# Altium PCB 2-quilter-output.PcbDoc (part 12 of 26)
Units mil, origin at the board's own origin, x right, y up, seen from the top; angles counter-clockwise.
Board outline 4130.55 x 4250 mil, 8 copper layers (L1, Ground L2, L3, Power L4, Ground L5, L6, Ground L7, L8), stack 62.985 mil thick; 591 components, 494 nets, 2245 pads, 1508 vias.
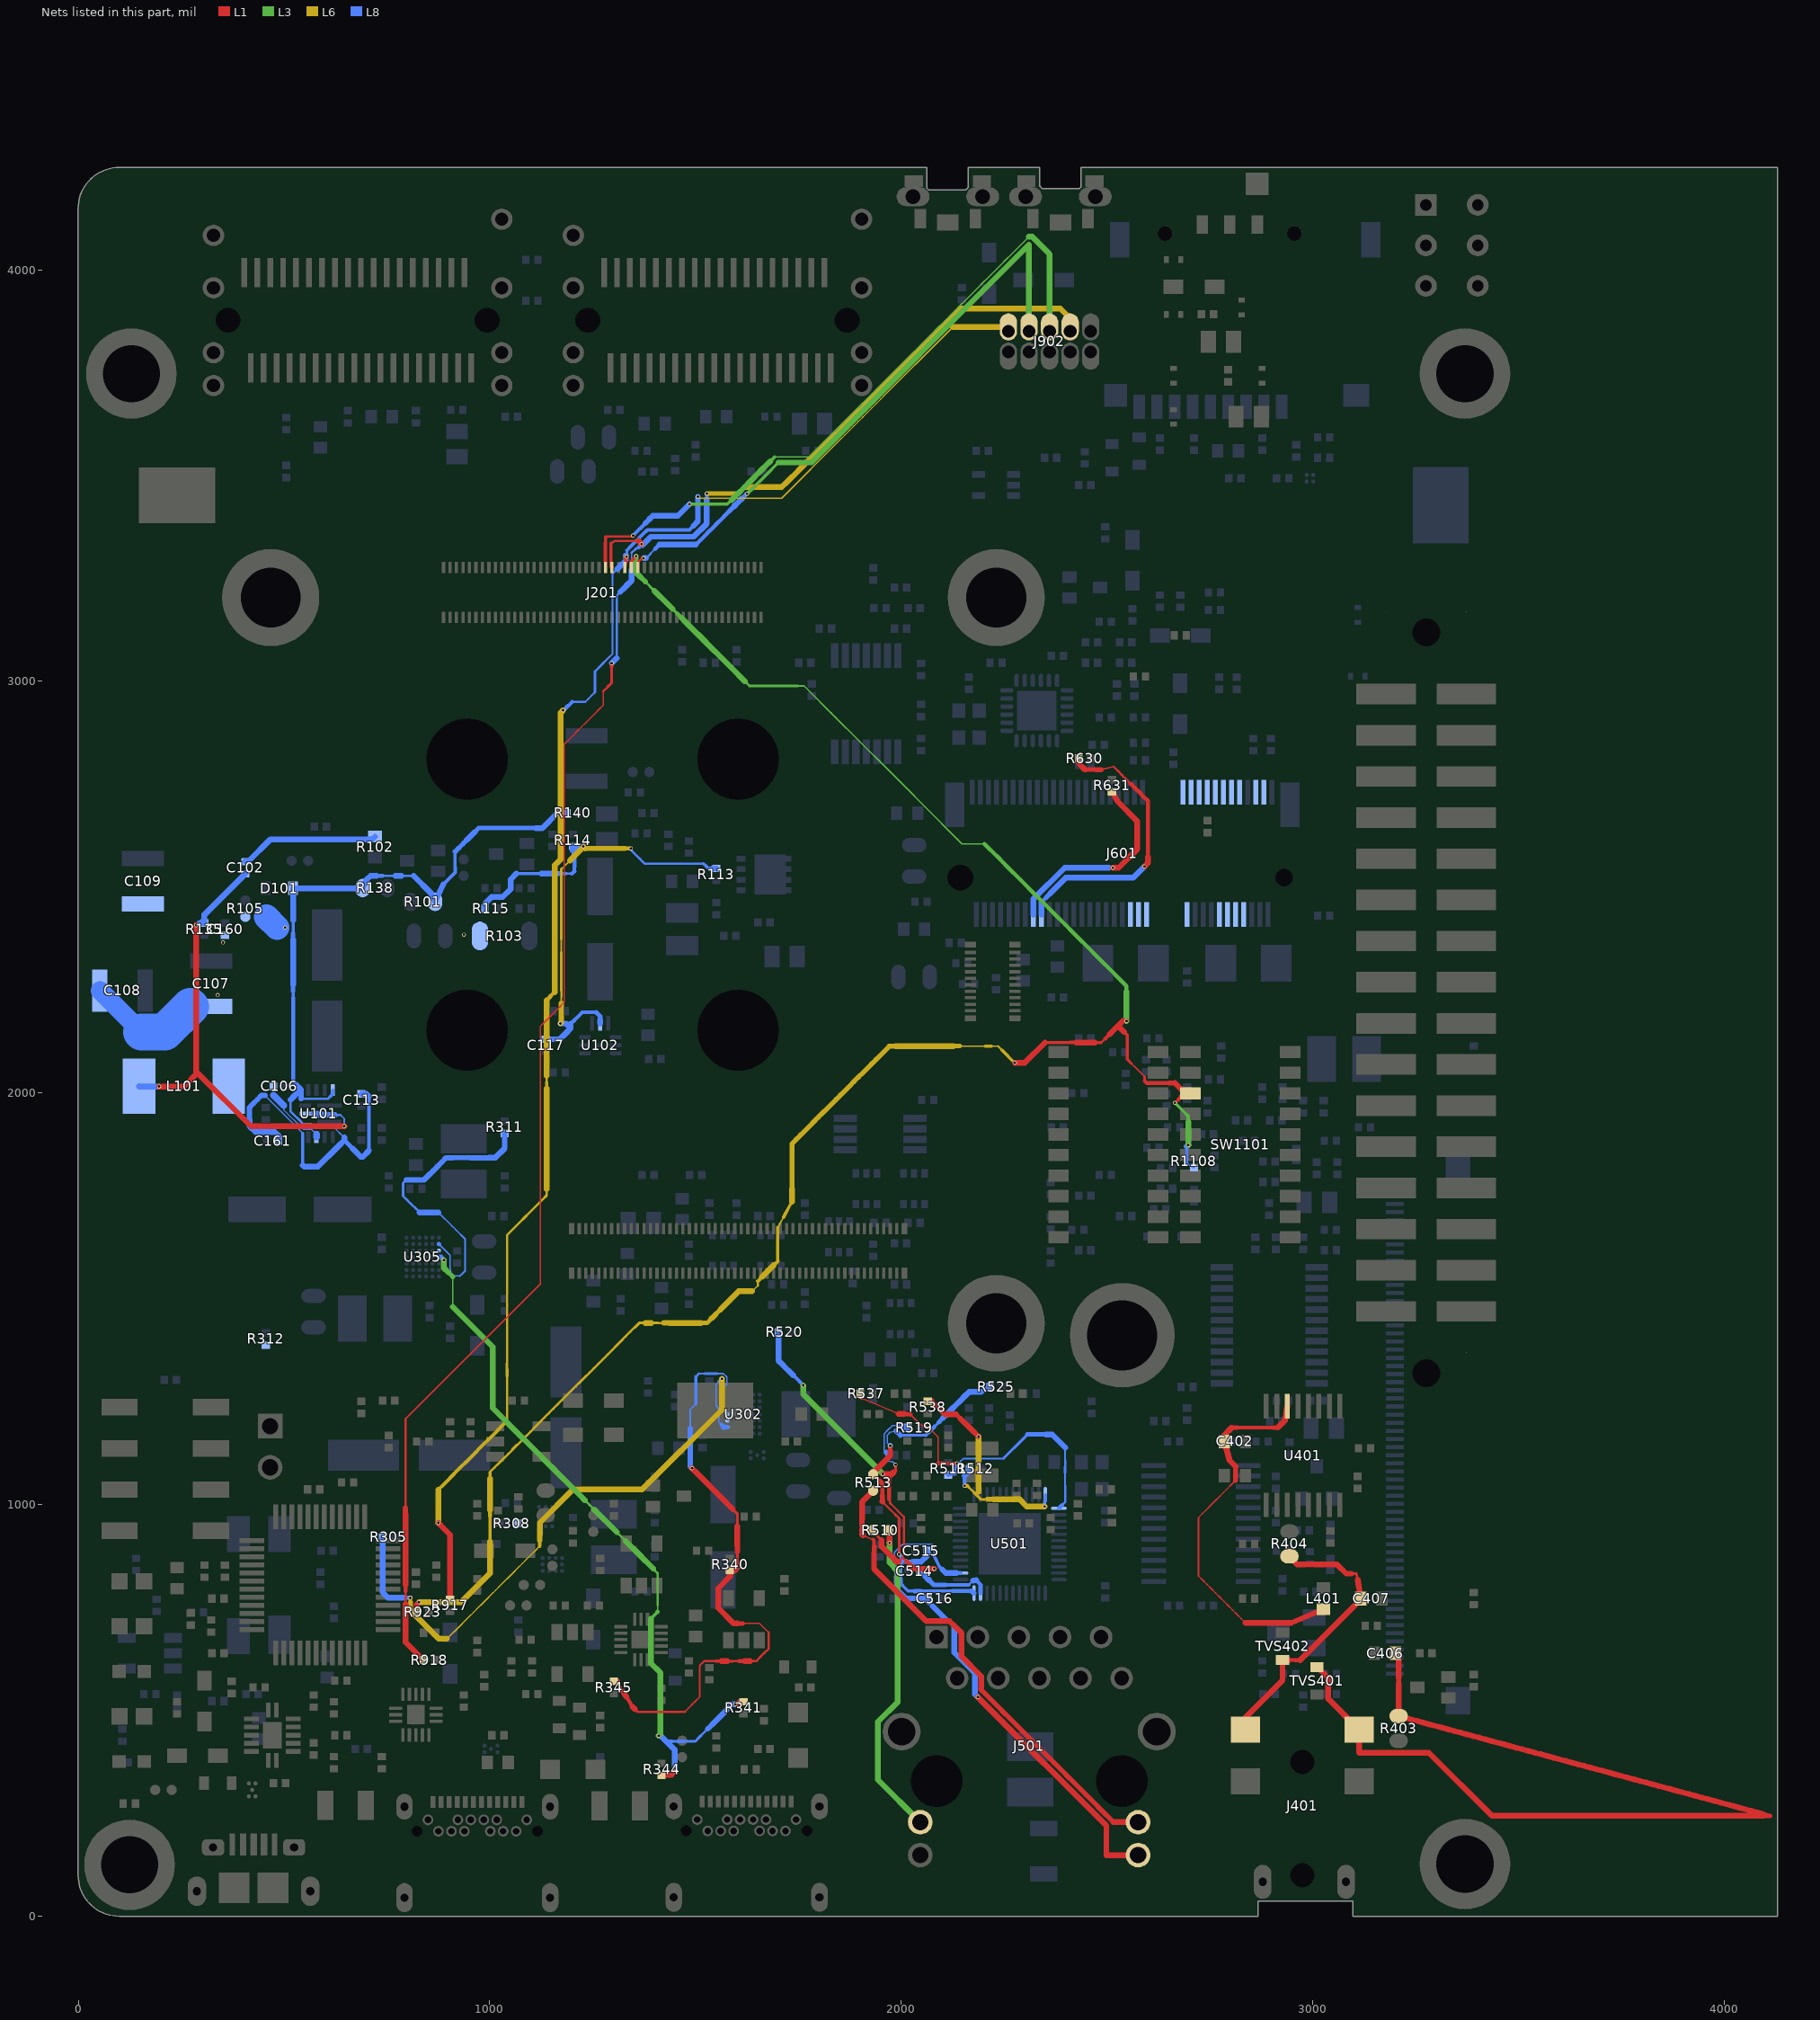
[diagram p18: the nets of this part, all layers, seen from the top]

## Via types
v1: diameter 9.85, hole 5.91, L1 to L8, tented both sides, 1508 vias

## Nets (pads, with @x,y where several pads share a name; then routed paths per layer and width w, separated by ;. In a path a pad name is that pad's centre, name@x,y a point inside that pad or via, vN(x,y) a via of type N, cw(c..) or ccw(c..) an arc to the next point about the centre after c; other vN are vias at no path point) (continued)
JTAG_NTRST: J201.60 R923.2 R1108.1 SW1101.3 | length 4934.3
  L1 w3.83: 2560.27,2071.05 2570.77,2060.55 2581.27,2050.05 2591.73,2039.59
  L1 w5.87: 2486.72,2122.16 2496.85,2132.29 ; v1(2665.92,1975.46) 2673.75,1983.29
  L1 w6.9: 2549.77,2125.5 2549.77,2110.85 2549.77,2096.2 2549.77,2081.55 2560.27,2071.05 ; 2591.73,2029.12 2591.73,2039.59
  L1 w7.92: 822.58,756.63 v1(827.93,761.98) ; 1344.51,3292.01 1350.33,3297.83 v1@1356.15,3303.65 ; 2349.83,2122.16 2365.04,2122.16 2380.25,2122.16 2395.46,2122.16 2410.67,2122.16 ; 2471.51,2122.16 2486.72,2122.16 ; 2542.26,2147.66 2549.77,2140.15 2549.77,2125.5
  L1 w8.94: J201.60@1344.5,3276.42 1344.51,3292.01 ; 2410.67,2122.16 2425.88,2122.16 ; 2591.74,2029.11 2597.16,2023.69 2610.85,2023.69 ; 2673.75,1983.29 SW1101.3@2681.58,1991.12
  L1 w9.96: v1@1356.15,3303.65 v1(1356.15,3303.88) ; 2496.85,2132.29 2506.98,2142.42 ; 2610.85,2023.69 2624.55,2023.69 2638.24,2023.69 2651.93,2023.69
  L1 w10.99: 2539.07,2174.51 v1(2548.07,2174.51) ; 2651.93,2023.69 2665.63,2023.69
  L1 w14.05: R923.2@822.59,737.56 822.58,756.63 ; v1(2276.32,2072.76) 2300.43,2072.76 2349.83,2122.16 ; 2425.88,2122.16 2441.09,2122.16 2456.3,2122.16 2471.51,2122.16 ; 2506.98,2142.42 2517.11,2152.55 2527.24,2162.68 ; 2539.07,2174.51 2527.24,2162.68 ; 2542.26,2147.66 2534.75,2155.17 2527.24,2162.68 ; 2665.63,2023.69 2687.26,2002.05 SW1101.3@2703.63,1998.79 2692.56,1991.12 SW1101.3@2681.58,1991.12
  L3 w3.83: 1749.73,2988.79 1764.51,2988.79 1775.47,2977.82 1786.44,2966.86 1797.4,2955.9 1808.36,2944.94 1819.32,2933.97 1830.29,2923.01 1841.25,2912.05 1852.21,2901.08 1863.18,2890.12 1874.14,2879.16 1885.1,2868.2 1896.07,2857.23 1907.03,2846.27 1917.99,2835.31 1928.95,2824.34 1939.92,2813.38 1950.88,2802.42 1961.84,2791.45 1972.81,2780.49 1983.77,2769.53 1994.73,2758.57 2005.7,2747.6 2016.66,2736.64 2027.62,2725.68 2038.58,2714.71 2049.55,2703.75 2060.51,2692.79 2071.47,2681.82 2082.44,2670.86 2093.4,2659.9 2104.36,2648.94 2115.33,2637.97 2126.29,2627.01 2137.25,2616.05 2148.21,2605.08 2161.79,2605.08 2175.37,2605.08 2188.96,2605.08 2202.54,2605.08
  L3 w5.87: 1378.18,3242.12 1389.19,3231.1 ; 1620.49,2999.8 1631.51,2988.79 1646.28,2988.79 1661.06,2988.79 1675.84,2988.79 1690.62,2988.79 1705.4,2988.79 1720.18,2988.79 1734.95,2988.79 1749.73,2988.79
  L3 w6.9: 1389.19,3231.1 1400.21,3220.09
  L3 w7.92: 1444.26,3176.03 1455.28,3165.02 ; v1(2665.92,1975.46) 2676.61,1964.77 2687.3,1954.08 2697.99,1943.39 2697.99,1929.26
  L3 w9.96: 1455.28,3165.02 1466.29,3154 ; 2202.54,2605.08 2213.68,2593.94 2224.83,2582.79 2235.97,2571.65 2247.12,2560.5 2258.26,2549.35 2269.41,2538.21 2280.56,2527.06 2291.7,2515.92 2302.85,2504.77 2313.99,2493.63 2325.14,2482.48 2336.29,2471.33 2347.43,2460.19 2358.58,2449.04 2369.72,2437.9 2380.87,2426.75 2392.01,2415.6 2403.16,2404.46 2414.31,2393.31 2425.45,2382.17 2436.6,2371.02 2447.74,2359.88 2458.89,2348.73 2470.03,2337.58 2481.18,2326.44 2492.33,2315.29 2503.47,2304.15 2514.62,2293 2525.76,2281.85 2536.91,2270.71 2548.06,2259.56 2548.07,2245.39
  L3 w12.01: 1356.15,3290.63 v1(1356.15,3303.88)
  L3 w13.03: 1367.16,3253.13 1378.18,3242.12
  L3 w14.05: 1356.15,3290.63 1356.15,3277.39 1356.15,3264.14 1367.16,3253.13 ; 1400.21,3220.09 1411.22,3209.07 1422.23,3198.06 1433.25,3187.04 1444.26,3176.03 ; 1466.29,3154 1477.31,3142.99 1488.32,3131.97 1499.34,3120.96 1510.35,3109.95 1521.36,3098.93 1532.38,3087.92 1543.39,3076.9 1554.41,3065.89 1565.42,3054.87 1576.43,3043.86 1587.45,3032.85 1598.46,3021.83 1609.48,3010.82 1620.49,2999.8 ; v1(2548.07,2174.51) 2548.07,2188.69 2548.07,2202.87 2548.07,2217.04 2548.07,2231.21 2548.07,2245.39 ; v1(2697.99,1872.74) 2697.99,1886.87 2697.99,1901 2697.99,1915.13 2697.99,1929.26
  L6 w3.5: 1637.89,1517.49 1644.96,1524.56 1652.03,1531.64
  L6 w3.83: 1700.27,1672.42 1707.12,1684.96 1713.98,1697.5 ; 2142.54,2113.51 2158.05,2113.51 2173.55,2113.51 2189.06,2113.51 2204.56,2113.51 ; 2220.07,2113.51 2235.57,2113.51
  L6 w4.85: 2235.57,2113.51 2245.76,2103.32
  L6 w5.87: 1000.75,1078.17 1011.73,1089.16 1022.72,1100.14 1033.7,1111.12 1044.69,1122.11 1055.67,1133.09 ; 1066.66,1144.08 1077.64,1155.06 1088.63,1166.05 1099.61,1177.03 1110.6,1188.02 1121.58,1199 1132.57,1209.99 1143.55,1220.97 1154.54,1231.96 1165.52,1242.94 1176.51,1253.93 1187.49,1264.91 1198.48,1275.9 1209.46,1286.88 1220.45,1297.87 1231.43,1308.85 1242.42,1319.84 1253.4,1330.82 1264.38,1341.81 1275.37,1352.79 1286.35,1363.78 1297.34,1374.76 1308.32,1385.75 1319.31,1396.73 1330.29,1407.72 1341.28,1418.7 1352.26,1429.68 ; 1408.29,1440.68 1423.3,1440.68 ; 1652.03,1531.64 1652.03,1542.78
  L6 w6.9: 1000.75,909.15 1000.75,924.52 1000.75,939.88 1000.75,955.25 1000.75,970.61 ; 1000.75,1062.81 1000.75,1078.17 ; 1055.67,1133.09 1066.66,1144.08 ; 1352.27,1429.69 1363.25,1440.68 1378.26,1440.68 ; 1393.28,1440.68 1408.29,1440.68 ; 1727.69,1722.58 1734.54,1735.12
  L6 w7.92: 1700.21,1590.96 1700.27,1591.02 1700.27,1604.58 1700.27,1618.15 1700.27,1631.72 1700.27,1645.29 1700.27,1658.85 1700.27,1672.42 ; 1713.98,1697.5 1720.83,1710.04 1727.69,1722.58 ; 2204.56,2113.51 2220.07,2113.51 ; 2245.76,2103.32 2255.94,2093.14 2266.13,2082.95 v1(2276.32,2072.76)
  L6 w8.94: 1652.03,1542.78 1661.67,1552.41 ; 1690.57,1581.32 1700.21,1590.95
  L6 w9.96: 1000.75,970.61 1000.75,985.98
  L6 w10.99: 1513.37,1440.68 1528.38,1440.68 1539.35,1451.65 ; 1550.33,1462.63 1561.3,1473.6 ; 2127.04,2113.51 2142.54,2113.51
  L6 w12.01: 1734.54,1766.44 1734.54,1782.1 1734.54,1797.76 1734.54,1813.42 1734.54,1829.08 1734.54,1844.73 1734.54,1860.39 1734.54,1876.05 1745.33,1886.85 1756.13,1897.64 1766.92,1908.43 1777.71,1919.23 1788.5,1930.02 1799.3,1940.81 1810.09,1951.6 1820.88,1962.4 1831.68,1973.19 1842.47,1983.98 1853.26,1994.78 1864.06,2005.57 1874.85,2016.36 1885.64,2027.16 1896.44,2037.95 1907.23,2048.74 1918.02,2059.54 1928.82,2070.33 1939.61,2081.12 1950.4,2091.91 1961.19,2102.71 1971.31,2112.83 1971.99,2113.51 1987.5,2113.51
  L6 w13.03: 1423.3,1440.68 1438.31,1440.68 ; 1539.35,1451.65 1550.33,1462.63
  L6 w14.05: v1(827.93,761.98) 930.4,761.98 1000.75,832.32 ; 1000.75,832.33 1000.75,847.69 1000.75,863.06 1000.75,878.42 1000.75,893.79 1000.75,909.15 ; 1000.75,985.98 1000.75,1001.34 1000.75,1016.71 1000.75,1032.08 1000.75,1047.44 1000.75,1062.81 ; 1378.26,1440.68 1393.28,1440.68 ; 1438.31,1440.68 1453.32,1440.68 1468.33,1440.68 1483.35,1440.68 1498.36,1440.68 1513.37,1440.68 ; 1561.3,1473.6 1572.27,1484.57 1583.25,1495.54 1594.22,1506.52 1605.19,1517.49 1637.89,1517.49 ; 1661.67,1552.41 1671.3,1562.05 1680.94,1571.68 1690.57,1581.32 ; 1734.54,1735.12 1734.54,1750.78 1734.54,1766.44 ; 1987.5,2113.51 2003,2113.51 2018.51,2113.51 2034.01,2113.51 2049.51,2113.51 2065.02,2113.51 2080.52,2113.51 2096.03,2113.51 2111.53,2113.51 2127.04,2113.51
  L8 w3.83: 2697.68,1826.41 R1108.1@2703.18,1823.34
  L8 w5.87: 2694.49,1829.6 2694.49,1841.88 2694.49,1855.56 2694.49,1869.24 ; R1108.1@2703.18,1823.34 R1108.1@2711.86,1818.5
  L8 w6.9: 2694.49,1829.6 2697.68,1826.41
  L8 w14.05: 2694.49,1869.24 v1(2697.99,1872.74)
JTAG_TCK: J201.62 J902.4 | length 1482.9
  L1 w5.87: J201.62@1360.24,3289.07 v1@1370.37,3299.2
  L1 w7.92: J201.62@1360.24,3276.42 J201.62@1360.24,3289.07 ; v1@1370.37,3299.2 v1(1374.04,3299.2)
  L3 w7.92: 1638.16,3467.77 1648.81,3478.42 1659.46,3489.07 1670.1,3499.72 1680.75,3510.36 1691.4,3521.01 1702.05,3531.66
  L3 w8.94: v1(1625.84,3455.45) 1632,3461.61 1638.16,3467.77
  L3 w14.05: 1702.05,3531.66 1781.63,3531.66 2310.96,4060.99 J902.4@2310.96,3861.16
  L8 w3.83: 1391.16,3310.16 1402.12,3321.12
  L8 w5.87: 1380.2,3299.2 1391.16,3310.16
  L8 w9.96: 1402.12,3321.12 1413.08,3332.08 ; 1501.19,3332.08 1511.47,3342.36 1521.75,3352.64 1532.03,3362.92 1542.31,3373.2 1552.59,3383.49 1562.88,3393.77 1573.16,3404.05 1583.44,3414.33 ; 1614.28,3445.17 1624.56,3455.45 v1(1625.84,3455.45)
  L8 w12.01: 1583.44,3414.33 1593.72,3424.61
  L8 w14.05: v1(1374.04,3299.2) 1380.2,3299.2 ; 1413.08,3332.08 1501.19,3332.08 ; 1593.72,3424.61 1604,3434.89 1614.28,3445.17
JTAG_TDI: J201.54 J902.8 R918.2 | length 4463.1
  L1 w3.5: 795.46,1207.86 806.38,1218.78 817.29,1229.7 828.21,1240.61 839.13,1251.53 850.05,1262.45 860.97,1273.37 871.88,1284.29 882.8,1295.2 893.72,1306.12 904.64,1317.04 915.55,1327.96 926.47,1338.88 937.39,1349.79 948.31,1360.71 959.23,1371.63 970.14,1382.55 981.06,1393.46 991.98,1404.38 1002.9,1415.3 1013.82,1426.22 1024.73,1437.14 1035.65,1448.05 1046.57,1458.97 1057.49,1469.89 1068.41,1480.81 1079.32,1491.73 1090.24,1502.64 1101.16,1513.56 1112.08,1524.48 1123,1535.4 1123,1551.03 1123,1566.67 1123,1582.3 1123,1597.93 1123,1613.57 1123,1629.2 1123,1644.83 1123,1660.47 1123,1676.1 1123,1691.74 1123,1707.37 1123,1723 1123,1738.64 1123,1754.27 1123,1769.91 1123,1785.54 1123,1801.17 1123,1816.81 1123,1832.44 1123,1848.07 1123,1863.71 1123,1879.34 1123,1894.98 1123,1910.61 1123,1926.24 1123,1941.88 1123,1957.51 1123,1973.15 1123,1988.78 1123,2004.41 1123,2020.05 1123,2035.68 1123,2051.31 1123,2066.95 1123,2082.58 1123,2098.22 1123,2113.85 1123,2129.48 1123,2145.12 1123,2160.75 1123.51,2161.26 ; 1181.41,2219.78 1181.41,2235.47 1181.41,2251.15 1181.41,2266.84 1181.41,2282.53 1181.41,2298.21 1181.41,2313.9 1181.41,2329.59 1181.41,2345.27 1181.41,2360.96 1181.41,2376.65 1181.41,2392.33 1181.41,2408.02 1181.41,2423.71 1181.41,2439.39 1181.41,2455.08 1181.41,2470.76 1181.41,2486.45 1181.41,2502.14 1181.41,2517.82 1181.41,2533.51 1181.41,2549.2 1181.41,2564.88 1181.41,2580.57 1181.41,2596.26 1181.41,2611.94 1181.41,2627.63 1181.41,2643.32 1181.41,2659 1181.41,2674.69 1181.41,2690.38 1181.41,2706.06 1181.41,2721.75 1181.41,2737.44 1181.41,2753.12 1181.41,2768.81 1181.41,2784.5 1181.41,2800.18 1181.41,2815.87 1181.41,2831.56 1181.41,2847.24 1191.92,2857.75 1202.43,2868.26 1212.94,2878.77 1223.44,2889.27 1233.95,2899.78 1244.46,2910.29 1254.97,2920.8 1265.48,2931.31 1275.98,2941.81 1275.98,2953.02 1275.98,2964.23 1275.98,2975.43
  L1 w3.83: 1123.51,2161.27 1123.51,2161.88 1133.16,2171.53 1142.81,2181.18 1152.46,2190.83 1162.11,2200.48 1171.76,2210.13 1181.41,2219.78
  L1 w4.85: 795.46,758.15 795.46,773.66 795.46,789.16 ; 795.46,990.76 795.46,1006.27 795.46,1021.77 795.46,1037.28 795.46,1052.79 795.46,1068.29 795.46,1083.8 795.46,1099.31 795.46,1114.82 795.46,1130.32 795.46,1145.83 795.46,1161.34 795.46,1176.85 795.46,1192.35 795.46,1207.86
  L1 w5.87: 1275.98,2975.43 1286.21,2985.66 ; 1294.71,3335.88 1304.61,3340.83 1318.9,3340.83 1333.19,3340.83 1347.48,3340.83 1361.77,3340.83 ; 1296.44,3024.27 1296.44,3034.03
  L1 w6.9: 1286.21,2985.66 1296.44,2995.89 1296.44,3010.08 1296.44,3024.27 ; J201.54@1294.71,3278.98 1294.71,3293.21 1294.71,3307.43 1294.71,3321.66 1294.71,3335.88
  L1 w7.92: J201.54@1294.71,3278.98 J201.54@1297.26,3276.42 ; 1296.44,3034.03 v1(1296.44,3043.79)
  L1 w8.94: 795.46,789.16 795.46,804.67
  L1 w13.03: 795.46,975.25 795.46,990.76
  L1 w14.05: 795.46,758.15 795.46,742.64 795.46,727.14 795.46,711.63 795.46,696.12 795.46,680.61 795.46,665.11 R918.2@839.18,621.35 ; 795.46,804.67 795.46,820.18 795.46,835.69 795.46,851.19 795.46,866.7 795.46,882.21 795.46,897.72 795.46,913.22 795.46,928.73 795.46,944.24 795.46,959.74 795.46,975.25 ; 1361.77,3340.83 v1(1369.26,3333.34)
  L6 w9.96: v1(1527.85,3456.27) 1536.59,3456.27 1545.32,3456.27 1560.59,3456.27 1575.85,3456.27 1591.12,3456.27 1606.39,3456.27 1614.17,3464.05 1621.95,3471.83
  L6 w13.03: 1910.27,3672.1 1921.4,3683.22 1932.52,3694.35 1943.65,3705.48 ; 2099.41,3861.24 2110.54,3872.36 2121.66,3883.49
  L6 w14.05: 1621.95,3471.83 1710.01,3471.83 1721.13,3482.96 1732.26,3494.08 1743.38,3505.21 1754.51,3516.34 1765.64,3527.46 1776.76,3538.59 1787.89,3549.71 1799.01,3560.84 1810.14,3571.97 1821.26,3583.09 1832.39,3594.22 1843.52,3605.34 1854.64,3616.47 1865.77,3627.6 1876.89,3638.72 1888.02,3649.85 1899.15,3660.97 1910.27,3672.1 ; 1943.65,3705.48 1954.78,3716.6 1965.9,3727.73 1977.03,3738.85 1988.15,3749.98 1999.28,3761.11 2010.4,3772.23 2021.53,3783.36 2032.66,3794.48 2043.78,3805.61 2054.91,3816.74 2066.03,3827.86 2077.16,3838.99 2088.29,3850.11 2099.41,3861.24 ; 2121.66,3883.49 2132.79,3894.62 2143.92,3905.74 2386.83,3905.74 2410.96,3881.61 J902.8@2410.96,3861.16
  L8 w3.83: 1344.89,3284.94 1344.89,3298.42 1344.89,3311.91
  L8 w4.85: 1308.97,3056.32 1308.97,3071.54 1308.97,3086.77 1308.97,3101.99 1308.97,3117.21 1308.97,3132.44 1308.97,3147.66 1308.97,3162.88 1308.97,3178.11 1308.97,3193.33 1308.97,3208.55 1317.95,3217.53
  L8 w5.87: 1344.89,3311.91 1355.21,3322.23
  L8 w6.9: 1355.21,3322.23 1362.64,3326.34
  L8 w7.92: 1527.85,3441.65 v1(1527.85,3456.27)
  L8 w9.96: 1344.89,3271.46 1344.89,3284.94
  L8 w10.99: 1362.64,3326.34 v1@1372.23,3331.65 ; v1(1369.26,3333.34) v1@1370.95,3331.65
  L8 w14.05: v1(1296.44,3043.79) 1308.97,3056.32 ; 1317.95,3217.53 1326.93,3226.51 1335.91,3235.49 1344.88,3244.47 ; 1344.89,3244.5 1344.89,3257.98 1344.89,3271.46 ; v1@1370.95,3331.65 1372.23,3331.65 1391.99,3351.42 1496.07,3351.42 1527.85,3383.19 1527.85,3397.81 1527.85,3412.42 1527.85,3427.04 1527.85,3441.65
JTAG_TDO: J201.52 J902.6 | length 1650.7
  L1 w5.87: 1281.51,3351.11 1282.93,3351.99 1295.59,3351.99 1308.26,3351.99 1320.92,3351.99 1333.58,3351.99 1346.25,3351.99 v1(1348.66,3354.4)
  L1 w7.92: J201.52@1281.5,3276.42 1281.5,3291.35 ; 1281.5,3336.16 1281.5,3351.09
  L1 w8.94: 1281.5,3291.35 1281.5,3306.29 1281.5,3321.22 1281.5,3336.16
  L3 w3.5: 1692.75,3545.38 1706.62,3545.38 1720.48,3545.38 1734.35,3545.38 1748.21,3545.38 1762.08,3545.38 1775.95,3545.38 1787.09,3556.52 1798.24,3567.67 1809.38,3578.81 1820.53,3589.96 1831.67,3601.1 1842.82,3612.25 1853.96,3623.39 1865.11,3634.54 1876.25,3645.68 1887.4,3656.82 1898.54,3667.97 1909.68,3679.11 1920.83,3690.26 1931.97,3701.4 1943.12,3712.55 1954.26,3723.69 1965.41,3734.84 1976.55,3745.98 1987.7,3757.13 1998.84,3768.27 2009.99,3779.42 2021.13,3790.56 2032.28,3801.71 2043.42,3812.85 2054.57,3824 2065.71,3835.14 2076.86,3846.29 2088,3857.43 2099.15,3868.58 2110.29,3879.72 2121.44,3890.87 2132.58,3902.01 2143.73,3913.16 2154.87,3924.3 2166.02,3935.45 2177.16,3946.59 2188.31,3957.73 2199.45,3968.88 2210.59,3980.02 2221.74,3991.17 2232.88,4002.31 2244.03,4013.46 2255.17,4024.6 2266.32,4035.75 2277.46,4046.89 2288.61,4058.04 2299.75,4069.18 2310.9,4080.33
  L3 w7.92: v1(1485.98,3430.45) 1494.85,3430.45 1503.71,3430.45 1518.54,3430.45 1533.36,3430.45 1548.18,3430.45 1563,3430.45 1577.83,3430.45 1588.27,3440.9 ; 1682.3,3534.93 1692.75,3545.38
  L3 w13.03: 1609.17,3461.8 1619.62,3472.24 1630.06,3482.69
  L3 w14.05: 1588.27,3440.9 1598.72,3451.35 1609.17,3461.8 ; 1630.06,3482.69 1640.51,3493.14 1650.96,3503.59 1661.41,3514.03 1671.86,3524.48 1682.3,3534.93 ; 2310.9,4080.33 2318.97,4080.33 2360.96,4038.33 J902.6@2360.96,3861.16
  L8 w8.94: v1(1348.66,3354.4) 1358.85,3364.59 1369.05,3374.79 1378.16,3383.9
  L8 w13.03: 1378.16,3383.9 1387.27,3393.01
  L8 w14.05: 1387.27,3393.01 1396.38,3402.12 1457.65,3402.12 v1(1485.98,3430.45)
JTAG_TMS: J201.58 J902.2 R917.2 | length 3995.1
  L1 w7.92: J201.58@1328.75,3276.42 1330.76,3290.43 v1@1330.76,3300.4
  L1 w10.99: v1@1330.76,3300.4 v1(1332.99,3302.63)
  L1 w14.05: v1(875.18,954.65) 889.44,940.39 903.7,926.13 R917.2@903.71,768.92
  L6 w3.5: v1(1506.1,3448.6) 1509.75,3444.94 1525.14,3444.94 1540.52,3444.94 1555.9,3444.94 1571.29,3444.94 1586.67,3444.94 1602.06,3444.94 1617.44,3444.94 1632.82,3444.94 1648.21,3444.94 1663.59,3444.94 1678.98,3444.94 1694.36,3444.94 1709.74,3444.94 1720.7,3455.9 1731.65,3466.85 1742.6,3477.8 1753.56,3488.76 1764.51,3499.71 1775.46,3510.66 1786.42,3521.62 1797.37,3532.57 1808.32,3543.52 1819.27,3554.48 1830.23,3565.43 1841.18,3576.38 1852.13,3587.33 1863.09,3598.29 1874.04,3609.24 1884.99,3620.19 1895.95,3631.15 1906.9,3642.1 1917.85,3653.05 1928.81,3664.01 1939.76,3674.96 1950.71,3685.91 1961.66,3696.87 1972.62,3707.82 1983.57,3718.77 1994.52,3729.72 2005.48,3740.68 2016.43,3751.63 2027.38,3762.58 2038.34,3773.54 2049.29,3784.49 2060.24,3795.44 2071.2,3806.4 2082.15,3817.35 2093.1,3828.3 2104.05,3839.26 2115.01,3850.21 2125.96,3861.16
  L6 w5.87: 1042.25,1202.63 1042.25,1218.21 1042.25,1233.78 1042.25,1249.36 1042.25,1264.93 1042.25,1280.51 1042.25,1296.08 1042.25,1311.66 ; 1042.25,1342.81 1042.25,1358.38 1042.25,1373.96 1042.25,1389.53 1042.25,1405.11 1042.25,1420.68 1042.25,1436.26 1042.25,1451.84 1042.25,1467.41 1042.25,1482.99 1042.25,1498.56 1042.25,1514.14 1042.25,1529.71 1042.25,1545.29 1042.25,1560.86 1042.25,1576.44 1042.25,1592.01 1042.25,1607.59 1042.25,1623.16 1042.25,1638.74 1042.25,1654.31 1052.95,1665.01 1063.65,1675.71 1074.35,1686.4 1085.04,1697.1 1095.74,1707.8 1106.44,1718.49 1117.13,1729.19 1127.83,1739.89 1138.53,1750.58 1138.53,1765.88 ; 1138.53,2025.94 1138.53,2041.24
  L6 w6.9: 1042.25,1327.23 1042.25,1342.81 ; 1138.53,2010.65 1138.53,2025.94
  L6 w7.92: 1042.25,1311.66 1042.25,1327.23
  L6 w8.94: 875.18,1035.55 886.32,1046.69 897.46,1057.82 908.6,1068.96 919.74,1080.1 930.88,1091.24 942.01,1102.38 953.15,1113.52 964.29,1124.65 975.43,1135.79 986.57,1146.93 997.71,1158.07 1008.84,1169.21 1019.98,1180.35 1031.12,1191.48 1042.26,1202.62 ; 1148.33,2234.62 1158.13,2244.42
  L6 w10.99: 1138.53,2224.81 1148.33,2234.62
  L6 w14.05: v1(875.18,954.65) 875.18,1035.54 ; 1138.53,1765.88 1138.53,1781.18 1138.53,1796.48 1138.53,1811.78 1138.53,1827.07 1138.53,1842.37 1138.53,1857.67 1138.53,1872.97 1138.53,1888.26 1138.53,1903.56 1138.53,1918.86 1138.53,1934.16 1138.53,1949.45 1138.53,1964.75 1138.53,1980.05 1138.53,1995.35 1138.53,2010.65 ; 1138.53,2041.24 1138.53,2056.54 1138.53,2071.84 1138.53,2087.13 1138.53,2102.43 1138.53,2117.73 1138.53,2133.03 1138.53,2148.32 1138.53,2163.62 1138.53,2178.92 1138.53,2194.22 1138.53,2209.52 1138.53,2224.81 ; 1158.13,2244.43 1158.13,2553.08 1172.78,2567.73 1172.78,2924.03 v1(1178.47,2929.73) ; 2125.96,3861.16 J902.2@2260.96,3861.16
  L8 w4.85: 1232.29,2949.91 1240.14,2957.75 1247.98,2965.6 1255.82,2973.44 ; 1277.33,3045.52 1288.08,3056.27 1298.84,3067.02 1298.84,3082.02 1298.84,3097.01 1298.84,3112 1298.84,3126.99 1298.84,3141.98 1298.84,3156.97 1298.84,3171.96 1298.84,3186.95 1298.84,3201.94 1298.84,3216.93 1298.84,3231.92 1298.84,3246.91 1298.84,3261.9 1309.79,3272.85
  L8 w5.87: 1200.19,2949.91 1210.89,2949.91 1221.59,2949.91 1232.29,2949.91 ; 1255.82,2973.44 1255.82,2986.08 1255.82,2998.72 ; 1255.82,3011.36 1255.82,3024.01 1266.57,3034.76 1277.33,3045.52 ; 1333.46,3307.69 1333.46,3318.43
  L8 w6.9: 1255.82,2998.72 1255.82,3011.36
  L8 w7.92: v1(1178.47,2929.73) v1@1180,2929.73 ; v1@1330.15,3305.98 1333.44,3307.65 ; v1(1332.99,3302.63) 1333.44,3303.08 1333.44,3307.65 ; 1333.46,3307.69 1333.44,3307.65 ; 1333.46,3318.43 1343.42,3328.38 1353.37,3338.34 1363.32,3348.29
  L8 w8.94: 1190.09,2939.82 1200.19,2949.91 ; 1363.32,3348.29 1373.27,3358.24 1383.23,3368.19 1397.84,3368.19 1412.45,3368.19 1427.06,3368.19 1441.67,3368.19 1456.28,3368.19 1470.89,3368.19 1485.5,3368.19 1495.8,3378.49
  L8 w9.96: v1@1180,2929.73 1190.09,2939.82
  L8 w12.01: 1320.74,3283.8 1331.69,3294.75 1331.58,3295.17 v1@1330.15,3305.98
  L8 w14.05: 1309.79,3272.85 1320.74,3283.8 ; 1495.8,3378.49 1506.1,3388.79 v1(1506.1,3448.6)
LD1_I2C_SCL: R305.2 U302.B1 | length 1500.8
  L6 w3.5: 896.42,673.15 907.16,683.88 917.89,694.62 928.62,705.35 939.36,716.09 950.09,726.82 960.83,737.55 971.56,748.29 982.3,759.02 993.03,769.76 1003.76,780.49 1014.5,791.23 1025.23,801.96 1035.97,812.69 1046.7,823.43 1057.44,834.16 1068.17,844.9 1078.9,855.63 1089.64,866.36 1100.37,877.1 1111.11,887.83 1121.84,898.57
  L6 w8.94: 807.23,761.98 v1(807.23,772.54) ; 1121.84,898.57 1121.84,912.73
  L6 w12.01: 807.23,742.29 807.23,751.42 807.23,761.98
  L6 w13.03: 1121.84,912.73 1121.84,926.9
  L6 w14.05: 807.23,742.29 876.38,673.14 896.42,673.14 ; 1121.84,926.9 1121.84,941.06 1121.84,955.22 1202.66,1036.04 1370.65,1036.04 1564.4,1229.79 v1(1564.4,1305)